# Altium PCB TopBoard.PcbDoc (part 1 of 3) (continued)
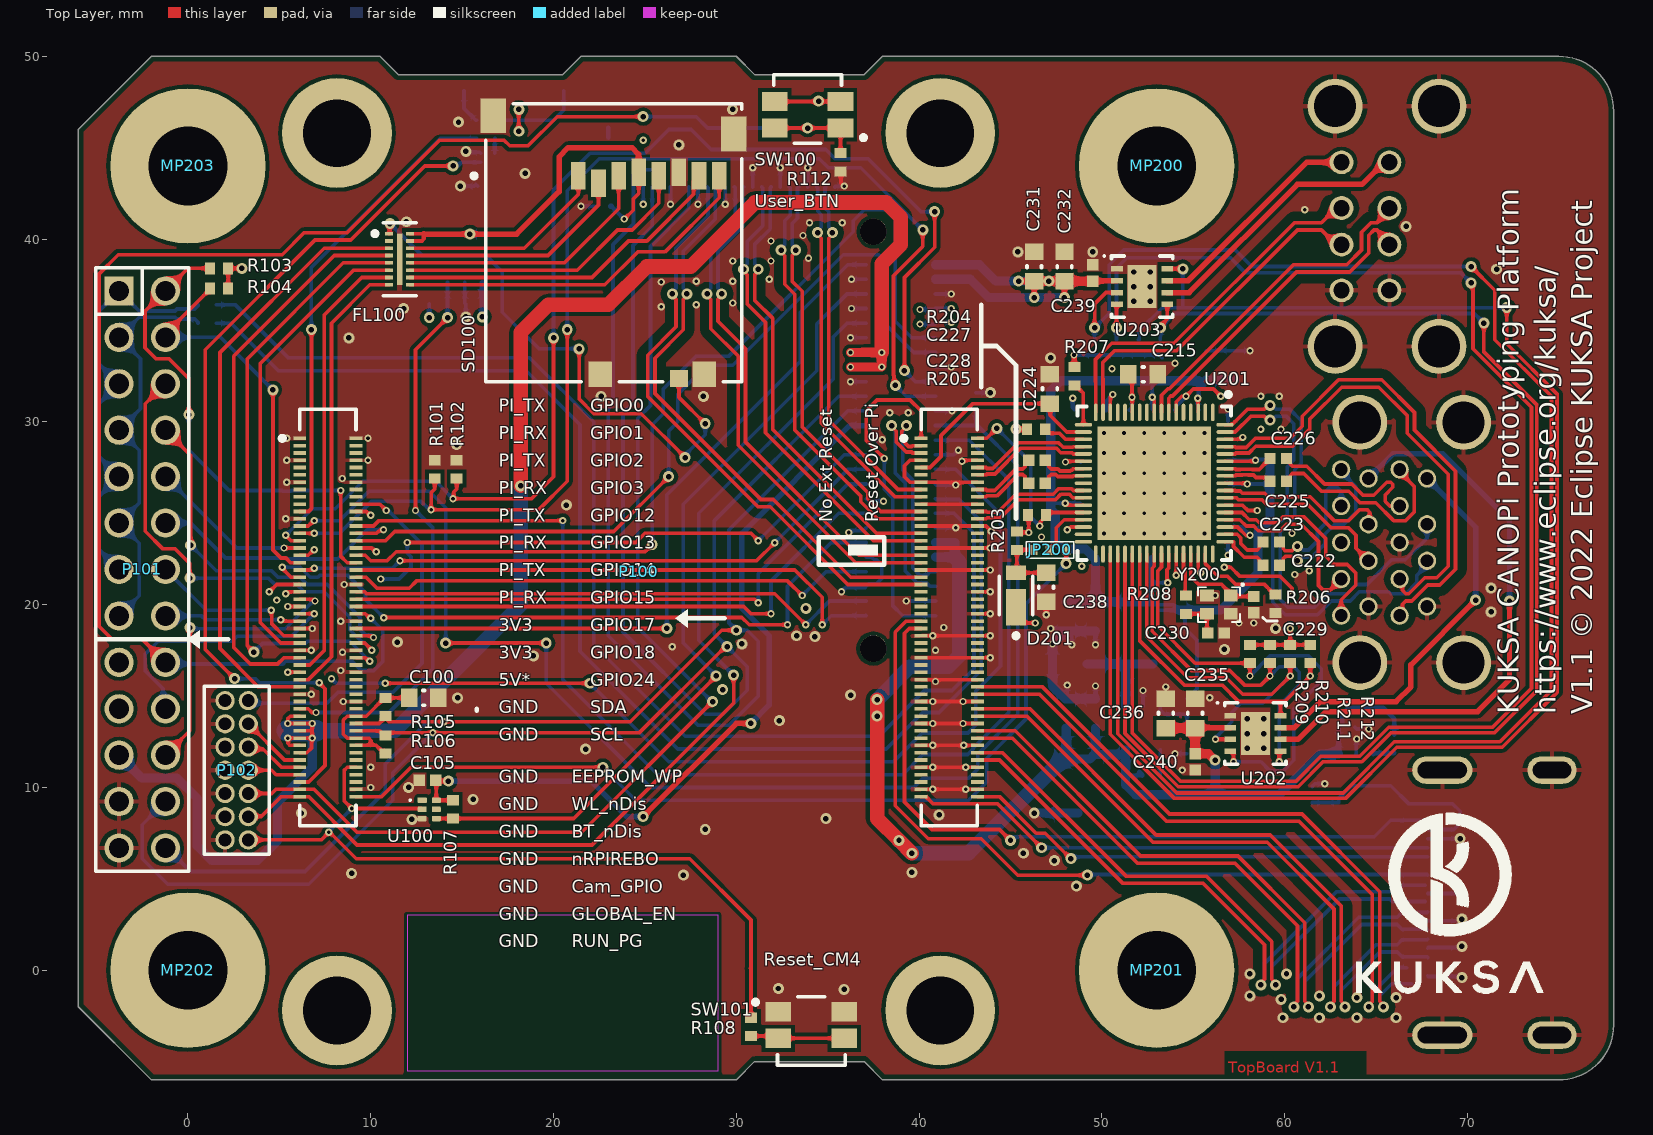
[diagram p0: Top Layer view]
## Components (designator, comment, footprint, x,y, rotation, side; value= is the part's Value field where it differs from the comment) (continued)
C223 "CAP 0402 100n -10% +10% 6.3V X7R" "CAP 0402 [1005 Metric] X050 N" 59.263,23.426 r180 top value=100nF
C224 "CAP 0603 10µF -20% +20% 6.3V X5R" "CAP 0603 [1608 Metric] X080 N" 47.15,31.8 r90 top value=10µF
C225 "CAP 0402 100n -10% +10% 6.3V X7R" "CAP 0402 [1005 Metric] X050 N" 59.65,26.75 r180 top value=100nF
C226 "CAP 0402 100n -10% +10% 6.3V X7R" "CAP 0402 [1005 Metric] X050 N" 59.65,28 r180 top value=100nF
C227 "CAP 0402 100n -10% +10% 6.3V X7R" "CAP 0402 [1005 Metric] X050 N" 46.45,27.9 r180 top value=100nF
C228 "CAP 0402 100n -10% +10% 6.3V X7R" "CAP 0402 [1005 Metric] X050 N" 46.45,26.65 r180 top value=100nF
C229 "CAP 0402 15p -2% +2% 25V C0G" "CAP 0402 [1005 Metric] X050 N" 58.3,20 r90 top value=15pF
C230 "CAP 0402 15p -2% +2% 25V C0G" "CAP 0402 [1005 Metric] X050 N" 56.25,18.45 r180 top value=15pF
C231 "CAP 0603 10µF -20% +20% 6.3V X5R" "CAP 0603 [1608 Metric] X080 N" 46.3,38.5 r90 top value=10µF
C232 "CAP 0603 1u -10% +10% 10V X7R" "CAP 0603 [1608 Metric] X080 N" 47.95,38.5 r90 top value=1µF
C233 "CAP 0402 100n -10% +10% 6.3V X7R" "CAP 0402 [1005 Metric] X050 N" 56.9,23.8 r270 bottom value=100nF
C234 "CAP 1210 100µF +/-20% 16V X5R" "CAP 1210 [3225 Metric] X250 N" 48.75,10.05 r90 bottom value=100µF
C235 "CAP 0603 10µF -20% +20% 6.3V X5R" "CAP 0603 [1608 Metric] X080 N" 55.1,14.05 r90 top value=10µF
C236 "CAP 0603 1u -10% +10% 10V X7R" "CAP 0603 [1608 Metric] X080 N" 53.5,14.05 r90 top value=1µF
C237 "CAP 0402 100n -10% +10% 6.3V X7R" "CAP 0402 [1005 Metric] X050 N" 56.4,27.9 r180 bottom value=100nF
C238 "CAP 0603 1u -10% +10% 10V X7R" "CAP 0603 [1608 Metric] X080 N" 46.95,20.95 r270 top value=1µF
C239 "CAP 0402 100n -10% +10% 6.3V X7R" "CAP 0402 [1005 Metric] X050 N" 49.5,38.15 r90 top value=100nF
C240 "CAP 0402 100n -10% +10% 6.3V X7R" "CAP 0402 [1005 Metric] X050 N" 55.1,11.4 r270 top value=100nF
D100 "WUERTH ELEKTRONIK - 155124RS73200" "WUERTH ELEKTRONIK - WL-SMSW" 18.8,48.1 r180 bottom
D101 "WUERTH ELEKTRONIK - 155124VS73200" "WUERTH ELEKTRONIK - WL-SMSW" 13.35,48.1 r180 bottom
D200 "RBE1VAM20ATR" FP-TUMD2M-MFG 48.55,16.75 r180 bottom
D201 "RBE1VAM20ATR" FP-TUMD2M-MFG 45.3,20.5 r90 top
FL100 "EMIF06-MSD02N16" FP-EMIF06-MSD02N16-MFG 11.575,38.9 r0 top
J100 "685119134923" 685119134923 73.15,3.7 r270 bottom
J101 "HIROSE - FH12-22S-0.5SH55" "HIROSE - FH12-22S-0.5SH55-Footprint-1" 30.15,42.85 r0 bottom
J200 "MOLEX - 484060003" "MOLEX - 484060003" 70.5,23.4 r180 bottom
J201 "MOLEX - 672984090" "MOLEX - 672984090" 70.6,40.7 r180 bottom
J202 "SAMTEC - ERM8-025-02.0-L-DV-TR" "SAMTEC - ERM8-025-02.0-S-DV-TR-Footprint-1" 39,29 r90 bottom
JP200 "Solder Jumper Triple 0402 with Assembly between 1 and 2" "Solder Jumper Triple 0402 with Assembly between 1 and 2" 47.6,23 r180 top
L200 "VISHAY - IFSC1515AHER3R3M01" IFSC-1515AH 52.85,18.35 r90 bottom value=3,3µH
MP200 "PCB mounting hole to build PE- connection" MountingPad 53,44 r0 top
MP201 "PCB mounting hole to build PE- connection" MountingPad 53,0 r0 top
MP202 "PCB mounting hole to build PE- connection" MountingPad 0,0 r0 top
MP203 "PCB mounting hole to build PE- connection" MountingPad 0,44 r0 top
P100 "RASPBERRY-PI - Compute Modul 4" "RASPBERRY-PI - Compute Modul 4 3mm" 4.65,-5.7 r0 top
P101 "WUERTH ELEKTRONIK - 61302621121" "WUERTH ELEKTRONIK - 61302621121" -2.501,21.925 r0 top
P102 "62201421121" 62201421121 2.665,10.94 r270 top
R100 "RES 0402 100K 1% 0W0625" "RES 0402 [1005 Metric]_N" 43.1,31.1 r90 bottom value=100k
R101 "RES 0402 100K 1% 0W0625" "RES 0402 [1005 Metric]_N" 13.5,27.4 r90 top value=100k
R102 "RES 0402 100K 1% 0W0625" "RES 0402 [1005 Metric]_N" 14.7,27.4 r90 top value=100k
R103 "RES 0402 4K7 1% 0W0625" "RES 0402 [1005 Metric]_N" 1.7,38.4 r0 top value=4.7k
R104 "RES 0402 4K7 1% 0W0625" "RES 0402 [1005 Metric]_N" 1.7,37.3 r0 top value=4.7k
R105 "RES 0402 4K7 1% 0W0625" "RES 0402 [1005 Metric]_N" 10.8,14.4 r90 top value=4.7k
R106 "RES 0402 4K7 1% 0W0625" "RES 0402 [1005 Metric]_N" 10.8,12.35 r270 top value=4.7k
R107 "RES 0402 100K 1% 0W0625" "RES 0402 [1005 Metric]_N" 14.5,8.8 r90 top value=100k
R108 "RES 0402 220R 1% 0W0625" "RES 0402 [1005 Metric]_N" 30.8,-3.1 r270 top value=220
R109 "RES 0402 10K 1% 0W0625" "RES 0402 [1005 Metric]_N" 13.7,36.45 r0 bottom value=10k
R110 "RES 0402 1K 1% 0W0625" "RES 0402 [1005 Metric]_N" 16.8,46 r90 bottom value=1k
R111 "RES 0402 1K 1% 0W0625" "RES 0402 [1005 Metric]_N" 15.8,46 r90 bottom value=1k
R112 "RES 0402 10K 1% 0W0625" "RES 0402 [1005 Metric]_N" 35.7,44.2 r270 top value=10k
R113 "RES 0402 1K 1% 0W0625" "RES 0402 [1005 Metric]_N" 1.05,36.4 r0 bottom value=1k
R114 "RES 0402 1K 1% 0W0625" "RES 0402 [1005 Metric]_N" 1.05,35.4 r0 bottom value=1k
R115 "RES 0402 1K 1% 0W0625" "RES 0402 [1005 Metric]_N" 66,12.4 r90 bottom value=1k
R200 "RES 0402 10K 1% 0W0625" "RES 0402 [1005 Metric]_N" 54.65,14.35 r270 bottom value=10k
R201 "RES 0402 100K 1% 0W0625" "RES 0402 [1005 Metric]_N" 52.7,10.65 r180 bottom value=100k
R202 "RES 0402 13K3 1% 0W0625" "RES 0402 [1005 Metric]_N" 54.65,12.35 r90 bottom value=13,3k
R203 "RES 0402 10K 1% 0W0625" "RES 0402 [1005 Metric]_N" 45.35,23.5 r90 top value=10k
R204 "RES 0402 10K 1% 0W0625" "RES 0402 [1005 Metric]_N" 46.4,29.6 r0 top value=10k
R205 "RES 0402 10K 1% 0W0625" "RES 0402 [1005 Metric]_N" 46.45,24.9 r0 top value=10k
R206 "RES 0402 6K04 1% 0W0625" "RES 0402 [1005 Metric]_N" 59.5,20.05 r90 top value=6,04k
R207 "RES 0402 10K 1% 0W0625" "RES 0402 [1005 Metric]_N" 48.5,32.5 r270 top value=10k
R208 "RES 0402 100R 1% 63mW" "RES 0402 [1005 Metric]_N" 54.6,20 r270 top value=100
R209 "RES 0402 100K 1% 0W0625" "RES 0402 [1005 Metric]_N" 58.1,17.3 r270 top value=100k
R210 "RES 0402 100K 1% 0W0625" "RES 0402 [1005 Metric]_N" 59.2,17.3 r270 top value=100k
R211 "RES 0402 100K 1% 0W0625" "RES 0402 [1005 Metric]_N" 60.3,17.3 r270 top value=100k
R212 "RES 0402 100K 1% 0W0625" "RES 0402 [1005 Metric]_N" 61.4,17.3 r270 top value=100k
R213 "RES 0402 100K 1% 0W0625" "RES 0402 [1005 Metric]_N" 50.8,34 r90 bottom value=100k
R214 "RES 0402 100K 1% 0W0625" "RES 0402 [1005 Metric]_N" 53.2,34 r90 bottom value=100k
R215 "RES 0402 100K 1% 0W0625" "RES 0402 [1005 Metric]_N" 49.6,34 r90 bottom value=100k
R216 "RES 0402 100K 1% 0W0625" "RES 0402 [1005 Metric]_N" 52,34 r90 bottom value=100k
SD100 "473521001" MOLX-473521001_V 23.3,39.8 r180 top
SW100 "EVQ-P7J01P" FP-EVQ-P7J01P-MFG 33.9,46.8 r180 top
SW101 "EVQ-P7J01P" FP-EVQ-P7J01P-MFG 34.1,-3 r0 top
U100 "SN74LVC1G07DRYR" DRY0006A_V 13.2,8.8 r0 top
U101 "ON SEMICONDUCTOR - FPF2109" "ON SEMICONDUCTOR - SOT-23, 5 Lead  CASE 527AH-01" 15.15,38.95 r90 bottom
U102 "ON SEMICONDUCTOR - FPF2109" "ON SEMICONDUCTOR - SOT-23, 5 Lead  CASE 527AH-01" 63.9,10.5 r270 bottom
U103 "SN74LVC1G07DRYR" DRY0006A_V 16.4,44.2 r0 bottom
U200 "LM2831XMF" MF05A_N 52.25,13.25 r270 bottom
U201 "VIA LABS - VL805" QFN40P800X800X90_HS-69N 52.863,26.645 r270 top
U202 "DIODES INCORPORATED - AP2182A" SON65P300X60_HS-9N 58.4,12.95 r0 top
U203 "DIODES INCORPORATED - AP2182A" SON65P300X60_HS-9N 52.2,37.4 r0 top
Y200 "ABRACON - ABM11-25.000MHZ-B7G-T" ABM11 56.4,20 r270 top

## Footprints (in the part's own frame and the unit in brackets; to place one, negate y for a bottom-side part, rotate by r counter-clockwise, add the part's x,y. Pads: shape width x height; smd on the part's side, far side on the other; paste and mask are expansions set on the pad)
62201421121 [mm] "Pin Header, pitch 1.27 mm, THT, Vertical, dual row, 14p"
  round 1.05 hole 0.7: 1(-3.81,-0.635) 2(-3.81,0.635) 3(-2.54,-0.635) 4(-2.54,0.635) 5(-1.27,-0.635) 6(-1.27,0.635) 7(0,-0.635) 8(0,0.635) 9(1.27,-0.635) 10(1.27,0.635) 11(2.54,-0.635) 12(2.54,0.635) 13(3.81,-0.635) 14(3.81,0.635)
  silkscreen extent -4.59,-1.78 4.59,1.78, body extent -4.44,-1.7 4.45,1.7, height 5.33
685119134923 [mm] "HDMI SMT Horizontal"
  rect 0.28x2.6 smd: 1(4.5,5.325) 2(4,5.325) 3(3.5,5.325) 4(3,5.325) 5(2.5,5.325) 6(2,5.325) 7(1.5,5.325) 8(1,5.325) 9(0.5,5.325) 10(0,5.325) 11(-0.5,5.325) 12(-1,5.325) 13(-1.5,5.325) 14(-2,5.325) 15(-2.5,5.325) 16(-3,5.325) 17(-3.5,5.325) 18(-4,5.325) 19(-4.5,5.325)
  oval 1.5x2.7 hole 0.9 slot 2.1 at 90 deg: Shell(-7.25,-1.475) Shell(7.25,-1.475)
  oval 1.5x3.3 hole 0.9 slot 2.7 at 90 deg: Shell(-7.25,4.525) Shell(7.25,4.525)
  silkscreen extent -7.5,-4.15 7.5,6.07, body extent -7.55,-6.07 7.45,6.08, height 6.17
ABM11 [mm]
  rect 0.65x0.75 smd paste+0: 1(-0.5,0.65) 2(-0.5,-0.65) 3(0.5,-0.65) 4(0.5,0.65)
  silkscreen extent -1.15,-1.15 0.95,1.35, body extent -0.8,-1 0.8,1, height 0.59
"CAP 0402 [1005 Metric] X050 N" [mm] "CAPC1005X050_N"
  rect 0.62x0.62 smd: 1(-0.45,0) 2(0.45,0)
  body extent -0.55,-0.3 0.55,0.3, height 0.5
"CAP 0603 [1608 Metric] X080 N" [mm] "CAPC1608X080_N"
  rect 0.9x1 smd: 1(-0.8,0) 2(0.8,0)
  silkscreen extent -0.05,-0.4 0.05,0.4, body extent -0.87,-0.48 0.88,0.47, height 0.8
"CAP 1210 [3225 Metric] X250 N" [mm] "CAPC3225X250_N"
  rect 1.15x2.7 smd: 1(-1.5,0) 2(1.5,0)
  silkscreen extent -0.55,-1.25 0.55,1.25, body extent -1.7,-1.35 1.7,1.35, height 2.5
DRY0006A_V [mm] "SON, 6-Leads, Body 1.45x1mm, Pitch 0.5mm"
  rrect33% 0.52x0.3 smd paste+0: 1(-0.385,0.5)
  rrect33% 0.49x0.3 smd paste+0: 2(-0.385,0) 3(-0.385,-0.5) 4(0.385,-0.5) 5(0.385,0) 6(0.385,0.5)
  silkscreen extent -1.09,0.46 -0.99,0.56, body extent -0.5,-0.72 0.5,0.72, height 0.6
FP-EMIF06-MSD02N16-MFG [mm]
  rect 0.45x0.2 smd paste-1000: 1(-0.575,1.4) 2(-0.575,1) 3(-0.575,0.6) 4(-0.575,0.2) 5(-0.575,-0.2) 6(-0.575,-0.6) 7(-0.575,-1) 8(-0.575,-1.4) 9(0.575,-1.4) 10(0.575,-1) 11(0.575,-0.6) 12(0.575,-0.2) 13(0.575,0.2) 14(0.575,0.6) 15(0.575,1) 16(0.575,1.4)
  rect 0.3x2.8 smd paste-1000: 17(0,0)
  silkscreen extent -1.47,-2 0.9,2, body extent -0.6,-1.75 0.6,1.75, height 0.55
FP-EVQ-P7J01P-MFG [mm]
  rect 1.4x1.05 smd paste+0: 1(-1.8,0.725) 1'(1.8,0.725) 2(-1.8,-0.725) 2'(1.8,-0.725)
  silkscreen extent -3.17,-2.2 1.85,1.55, body extent -2.35,-2.1 2.35,1.45, height 1.55
FP-TUMD2M-MFG [mm]
  rect 2x1.1 smd paste+0: 1(-0.65,0)
  rect 0.8x1.1 smd paste+0: 2(1.25,0)
  silkscreen extent -2.33,-0.92 1.05,0.92, body extent -1.25,-0.7 1.25,0.7, height 0.8
"HIROSE - FH12-22S-0.5SH55-Footprint-1" [mm]
  rect 0.3x1.3 smd: 1(-5.25,0) 2(-4.75,0) 3(-4.25,0) 4(-3.75,0) 5(-3.25,0) 6(-2.75,0) 7(-2.25,0) 8(-1.75,0) 9(-1.25,0) 10(-0.75,0) 11(-0.25,0) 12(0.25,0) 13(0.75,0) 14(1.25,0) 15(1.75,0) 16(2.25,0) 17(2.75,0) 18(3.25,0) 19(3.75,0) 20(4.25,0) 21(4.75,0) 22(5.25,0)
  rect 1.8x2.2 smd: M(-7.15,-3.25) M(7.15,-3.25)
  silkscreen extent -7.75,-6.65 7.75,0.38, body extent -7.56,-6.22 7.54,0.18, height 2.12
IFSC-1515AH [mm] "Inductor 1515, 2-Leads, Body 4,00x4,00mm, IPC Medium Density"
  rect 1.5x3.6 smd: 1(-1.65,0) 2(1.65,0)
  silkscreen extent -2.1,-2.1 2.1,2.1, body extent -2.1,-2 2.1,2, height 2
MF05A_N [mm] "SOT23, 5-Leads, Body 2.9x1.6mm, Pitch 0.95mm, Lead Span 2.8mm, IPC Medium Density"
  rect 1.1x0.65 smd: 1(-1.2,0.95) 2(-1.2,0) 3(-1.2,-0.95) 4(1.2,-0.95) 5(1.2,0.95)
  silkscreen extent -1.32,-1.5 0.25,1.95, body extent -0.83,-1.49 0.83,1.5, height 1.19
"MOLEX - 484060003" [mm] "Universal Serial Bus (USB 3.0) I/O Receptacle, Dual Port Stacked, Right-Angle, Type A, High-Temperature Blue Nylon, 0.38µm Gold (Au) Plating, Contact Height 4.13mm"
  round 1 hole 0.7: 1(2.71,3.5) 2(2.71,1) 3(2.71,-1) 4(2.71,-3.5) 5(4.21,-4) 6(4.21,-2) 7(4.21,0) 8(4.21,2) 9(4.21,4) 10(5.91,3.5) 11(5.91,1) 12(5.91,-1) 13(5.91,-3.5) 14(7.41,-4) 15(7.41,-2) 16(7.41,0) 17(7.41,2) 18(7.41,4)
  round 3 hole 2.3: 19(0.71,-6.57) 19(0.71,6.57) 19(6.39,-6.57) 19(6.39,6.57)
  silkscreen extent 2.58,-6.65 8.73,6.65, body extent -8.73,-7.83 8.73,7.84, height 16.2
"MOLEX - 672984090" [mm] "Universal Serial Bus (USB) Shielded I/O Receptacle, Right-Angle, Dual Stacked, Type A, Gold (Au) Flash, White Housing, with 4 Beveled Metal Pins, Lead-Free"
  round 1.3 hole 0.9: 1(4.87,3.5) 2(4.87,1) 3(4.87,-1) 4(4.87,-3.5) 5(7.49,3.5) 6(7.49,1) 7(7.49,-1) 8(7.49,-3.5)
  round 3 hole 2.3: 9(2.16,-6.57) 9(2.16,6.57) 9(7.84,-6.57) 9(7.84,6.57)
  silkscreen extent 4.03,-6.65 8.93,6.65, body extent -8.93,-7.66 8.93,7.66, height 15.88
MOLX-473521001_V [mm] "SMD, 8-Leads, Body 15.2x14mm, Pitch 1.1mm"
  rect 0.8x1.5 smd: 1(1.94,-3.66) 2(0.84,-3.26) 3(-0.26,-3.66) 4(-1.36,-3.86) 5(-2.46,-3.66) 6(-3.56,-3.86) 7(-4.66,-3.66) 8(-5.76,-3.66)
  rect 1x0.95 smd: 9(-3.56,7.425)
  rect 1.3x1.4 smd: 10(-4.95,7.2) 11(0.75,7.2)
  rect 1.4x1.9 smd: 12(6.6,-6.95) 13(-6.55,-5.95)
  silkscreen extent -7,-7.6 7.77,7.6, body extent -7.05,-7.6 7.05,7.6, height 1.85
MountingPad [mm] "PCB- Mounting pad to build PE- connection, hole size 4.3mm"
  round 8.5 hole 4.3: 1(0,0)
"ON SEMICONDUCTOR - SOT-23, 5 Lead  CASE 527AH-01" [mm] "SOT95P280X145-5N, SOT23, 5-Leads, Body 2.90x2.80mm, Pitch 0.95mm, IPC Medium Density"
  oval 1.05x0.6 smd: 1(-1.325,0.95)
  rrect50% 1.05x0.6 smd: 2(-1.325,0) 3(-1.325,-0.95) 4(1.325,-0.95) 5(1.325,0.95)
  silkscreen extent -1.45,-1.45 0.4,1.93, body extent -1.4,-1.45 1.4,1.45, height 1.45
QFN40P800X800X90_HS-69N [mm] "QFN, 68-Leads, Body 8,00x8,00mm, Pitch 0,40mm, Thermal Pad 6,20x6,20mm, IPC Medium Density"
  oval 0.95x0.2 smd: 1(-3.875,3.2) 2(-3.875,2.8) 3(-3.875,2.4) 4(-3.875,2) 5(-3.875,1.6) 6(-3.875,1.2) 7(-3.875,0.8) 8(-3.875,0.4) 9(-3.875,0) 10(-3.875,-0.4) 11(-3.875,-0.8) 12(-3.875,-1.2) 13(-3.875,-1.6) 14(-3.875,-2) 15(-3.875,-2.4) 16(-3.875,-2.8) 17(-3.875,-3.2) 35(3.875,-3.2) 36(3.875,-2.8) 37(3.875,-2.4) 38(3.875,-2) 39(3.875,-1.6) 40(3.875,-1.2) 41(3.875,-0.8) 42(3.875,-0.4) 43(3.875,0) 44(3.875,0.4) 45(3.875,0.8) 46(3.875,1.2) 47(3.875,1.6) 48(3.875,2) 49(3.875,2.4) 50(3.875,2.8) 51(3.875,3.2)
  oval 0.2x0.95 smd: 18(-3.2,-3.875) 19(-2.8,-3.875) 20(-2.4,-3.875) 21(-2,-3.875) 22(-1.6,-3.875) 23(-1.2,-3.875) 24(-0.8,-3.875) 25(-0.4,-3.875) 26(0,-3.875) 27(0.4,-3.875) 28(0.8,-3.875) 29(1.2,-3.875) 30(1.6,-3.875) 31(2,-3.875) 32(2.4,-3.875) 33(2.8,-3.875) 34(3.2,-3.875) 52(3.2,3.875) 53(2.8,3.875) 54(2.4,3.875) 55(2,3.875) 56(1.6,3.875) 57(1.2,3.875) 58(0.8,3.875) 59(0.4,3.875) 60(0,3.875) 61(-0.4,3.875) 62(-0.8,3.875) 63(-1.2,3.875) 64(-1.6,3.875) 65(-2,3.875) 66(-2.4,3.875) 67(-2.8,3.875) 68(-3.2,3.875)
  rect 6.2x6.2 smd: 69(0,0)
  silkscreen extent -4.97,-4.2 4.2,4.2, body extent -4.05,-4.05 4.05,4.05, height 0.9
"RASPBERRY-PI - Compute Modul 4 3mm" [mm] "aspberry Pi Compute Modul 4, CM4 40 x 55mm, 3.0mm with mating connector (clearance under CM4 1.5mm): DF40HC(3.0)-100DS-0.4, see datasheet page 14 (3.1 Mechanical), 3D-Model has to be added manually (Step-Files CM4 or CM4 Lite available on offical homepage)"
  rect 0.7x0.2 smd: 1(1.46,34.8) 2(4.54,34.8) 3(1.46,34.4) 4(4.54,34.4) 5(1.46,34) 6(4.54,34) 7(1.46,33.6) 8(4.54,33.6) 9(1.46,33.2) 10(4.54,33.2) 11(1.46,32.8) 12(4.54,32.8) 13(1.46,32.4) 14(4.54,32.4) 15(1.46,32) 16(4.54,32) 17(1.46,31.6) 18(4.54,31.6) 19(1.46,31.2) 20(4.54,31.2) 21(1.46,30.8) 22(4.54,30.8) 23(1.46,30.4) 24(4.54,30.4) 25(1.46,30) 26(4.54,30) 27(1.46,29.6) 28(4.54,29.6) 29(1.46,29.2) 30(4.54,29.2) 31(1.46,28.8) 32(4.54,28.8) 33(1.46,28.4) 34(4.54,28.4) 35(1.46,28) 36(4.54,28) 37(1.46,27.6) 38(4.54,27.6) 39(1.46,27.2) 40(4.54,27.2) 41(1.46,26.8) 42(4.54,26.8) 43(1.46,26.4) 44(4.54,26.4) 45(1.46,26) 46(4.54,26) 47(1.46,25.6) 48(4.54,25.6) 49(1.46,25.2) 50(4.54,25.2) 51(1.46,24.8) 52(4.54,24.8) 53(1.46,24.4) 54(4.54,24.4) 55(1.46,24) 56(4.54,24) 57(1.46,23.6) 58(4.54,23.6) 59(1.46,23.2) 60(4.54,23.2) 61(1.46,22.8) 62(4.54,22.8) 63(1.46,22.4) 64(4.54,22.4) 65(1.46,22) 66(4.54,22) 67(1.46,21.6) 68(4.54,21.6) 69(1.46,21.2) 70(4.54,21.2) 71(1.46,20.8) 72(4.54,20.8) 73(1.46,20.4) 74(4.54,20.4) 75(1.46,20) 76(4.54,20) 77(1.46,19.6) 78(4.54,19.6) 79(1.46,19.2) 80(4.54,19.2) 81(1.46,18.8) 82(4.54,18.8) 83(1.46,18.4) 84(4.54,18.4) 85(1.46,18) 86(4.54,18) 87(1.46,17.6) 88(4.54,17.6) 89(1.46,17.2) 90(4.54,17.2) 91(1.46,16.8) 92(4.54,16.8) 93(1.46,16.4) 94(4.54,16.4) 95(1.46,16) 96(4.54,16) 97(1.46,15.6) 98(4.54,15.6) 99(1.46,15.2) 100(4.54,15.2) 101(35.46,34.8) 102(38.54,34.8) 103(35.46,34.4) 104(38.54,34.4) 105(35.46,34) 106(38.54,34) 107(35.46,33.6) 108(38.54,33.6) 109(35.46,33.2) 110(38.54,33.2) 111(35.46,32.8) 112(38.54,32.8) 113(35.46,32.4) 114(38.54,32.4) 115(35.46,32) 116(38.54,32) 117(35.46,31.6) 118(38.54,31.6) 119(35.46,31.2) 120(38.54,31.2) 121(35.46,30.8) 122(38.54,30.8) 123(35.46,30.4) 124(38.54,30.4) 125(35.46,30) 126(38.54,30) 127(35.46,29.6) 128(38.54,29.6) 129(35.46,29.2) 130(38.54,29.2) 131(35.46,28.8) 132(38.54,28.8) 133(35.46,28.4) 134(38.54,28.4) 135(35.46,28) 136(38.54,28) 137(35.46,27.6) 138(38.54,27.6) 139(35.46,27.2) 140(38.54,27.2) 141(35.46,26.8) 142(38.54,26.8) 143(35.46,26.4) 144(38.54,26.4) 145(35.46,26) 146(38.54,26) 147(35.46,25.6) 148(38.54,25.6) 149(35.46,25.2) 150(38.54,25.2) 151(35.46,24.8) 152(38.54,24.8) 153(35.46,24.4) 154(38.54,24.4) 155(35.46,24) 156(38.54,24) 157(35.46,23.6) 158(38.54,23.6) 159(35.46,23.2) 160(38.54,23.2) 161(35.46,22.8) 162(38.54,22.8) 163(35.46,22.4) 164(38.54,22.4) 165(35.46,22) 166(38.54,22) 167(35.46,21.6) 168(38.54,21.6) 169(35.46,21.2) 170(38.54,21.2) 171(35.46,20.8) 172(38.54,20.8) 173(35.46,20.4) 174(38.54,20.4) 175(35.46,20) 176(38.54,20) 177(35.46,19.6) 178(38.54,19.6) 179(35.46,19.2) 180(38.54,19.2) 181(35.46,18.8) 182(38.54,18.8) 183(35.46,18.4) 184(38.54,18.4) 185(35.46,18) 186(38.54,18) 187(35.46,17.6) 188(38.54,17.6) 189(35.46,17.2) 190(38.54,17.2) 191(35.46,16.8) 192(38.54,16.8) 193(35.46,16.4) 194(38.54,16.4) 195(35.46,16) 196(38.54,16) 197(35.46,15.6) 198(38.54,15.6) 199(35.46,15.2) 200(38.54,15.2)
  round 6 / inner round 0 / far side round 0 hole 3.7: M1(3.5,51.5) M2(36.5,51.5) M3(3.5,3.5) M4(36.5,3.5)
  silkscreen extent 0.39,13.6 38.54,36.4, body extent 0.95,0.95 39.05,54.05, height 3
"RES 0402 [1005 Metric]_N" [mm] "RESC1005X04_N"
  rect 0.55x0.65 smd: 1(-0.5,0) 2(0.5,0)
  body extent -0.52,-0.27 0.53,0.28, height 0.4
"SAMTEC - ERM8-025-02.0-S-DV-TR-Footprint-1" [mm]
  rect 0.5x1.1 smd: 1(-9.6,1.9) 2(-9.6,-1.9) 3(-8.8,1.9) 4(-8.8,-1.9) 5(-8,1.9) 6(-8,-1.9) 7(-7.2,1.9) 8(-7.2,-1.9) 9(-6.4,1.9) 10(-6.4,-1.9) 11(-5.6,1.9) 12(-5.6,-1.9) 13(-4.8,1.9) 14(-4.8,-1.9) 15(-4,1.9) 16(-4,-1.9) 17(-3.2,1.9) 18(-3.2,-1.9) 19(-2.4,1.9) 20(-2.4,-1.9) 21(-1.6,1.9) 22(-1.6,-1.9) 23(-0.8,1.9) 24(-0.8,-1.9) 25(0,1.9) 26(0,-1.9) 27(0.8,1.9) 28(0.8,-1.9) 29(1.6,1.9) 30(1.6,-1.9) 31(2.4,1.9) 32(2.4,-1.9) 33(3.2,1.9) 34(3.2,-1.9) 35(4,1.9) 36(4,-1.9) 37(4.8,1.9) 38(4.8,-1.9) 39(5.6,1.9) 40(5.6,-1.9) 41(6.4,1.9) 42(6.4,-1.9) 43(7.2,1.9) 44(7.2,-1.9) 45(8,1.9) 46(8,-1.9) 47(8.8,1.9) 48(8.8,-1.9) 49(9.6,1.9) 50(9.6,-1.9)
  round 1.45 hole 1.45: M(-11.4,-1.5) M(11.4,-1.5)
  silkscreen extent -13.21,-3.05 13.21,4.19, body extent -13,-2.8 13,2.8, height 5.78
"Solder Jumper Triple 0402 with Assembly between 1 and 2" [mm] "Solder Jumper Triple 0402 with Assembly between 1 and 2"
  rect 0.45x0.55 smd: 1(0.45,0) 2(-0.45,0) 3(1.35,0)
  silkscreen extent -0.85,-0.45 1.75,0.45, body extent -0.5,-0.25 0.5,0.25, height 0.4
SON65P300X60_HS-9N [mm] "SON, 8-Leads, Body 3,00x3,00mm, Pitch 0,65mm, Thermal Pad 2,35x1,34mm, IPC Medium Density"
  rect 0.65x0.3 smd: 1(-1.375,0.975) 2(-1.375,0.325) 3(-1.375,-0.325) 4(-1.375,-0.975) 5(1.375,-0.975) 6(1.375,-0.325) 7(1.375,0.325) 8(1.375,0.975)
  rect 1.6x2.35 smd: 9(0,0)
  silkscreen extent -2.12,-1.68 1.67,1.72, body extent -1.53,-1.53 1.52,1.52, height 0.6
"WUERTH ELEKTRONIK - 61302621121" [mm] "Pin Header, 26-Pins, 2-reihig, 2.54mm Pitch, THT, gerade"
  rect 1.6x1.6 hole 1.1: 1(-1.27,15.24)
  round 1.6 hole 1.1: 2(1.27,15.24) 3(-1.27,12.7) 4(1.27,12.7) 5(-1.27,10.16) 6(1.27,10.16) 7(-1.27,7.62) 8(1.27,7.62) 9(-1.27,5.08) 10(1.27,5.08) 11(-1.27,2.54) 12(1.27,2.54) 13(-1.27,0) 14(1.27,0) 15(-1.27,-2.54) 16(1.27,-2.54) 17(-1.27,-5.08) 18(1.27,-5.08) 19(-1.27,-7.62) 20(1.27,-7.62) 21(-1.27,-10.16) 22(1.27,-10.16) 23(-1.27,-12.7) 24(1.27,-12.7) 25(-1.27,-15.24) 26(1.27,-15.24)
  silkscreen extent -2.54,-16.51 2.54,16.51, body extent -2.54,-16.51 2.54,16.51, height 8.55
"WUERTH ELEKTRONIK - WL-SMSW" [mm] "LED WL-SMSW SMT Mono-color Side view Waterclear, 1204"
  rect 1.5x1 smd: A(1.75,0) C(-1.75,0)
  rect 0.8x0.6 smd: M1(0,-0.2)
  silkscreen extent -2.04,-0.6 0.95,1.48, body extent -1.6,0 1.6,1.48, height 1

## Part data
C100 C232 C236 C238: library part CMP-02997-5, "SMD/SMT 0603 10V -10% +10% X7R - Multilayer Ceramic Capacitors MLCC", Capacitance=1µF, Capacitance Tolerance neg=-10%, Capacitance Tolerance pos=10%, Case=0603, Dielectric Type=X7R, Manufacturer=MURATA, Manufacturer Part Number=GRM188R71A105KA61#, Operating Temperature max=125°C, Operating Temperature min=-55°C, Voltage Rating=10V, Assembly=yes, ComponentLink1Description=Datasheet, ComponentLink1URL=http://psearch.en.murata.com/capacitor/lineup/grm/, IPC Footprint Naming=CAPC1608X080, Mounting Type=SMT
C101 C102 C103 C104 C105 C106 C201 C202 C203 C204 C205 C206 C207 C208 C216 C217 C218 C219 C220 C221 C222 C223 C225 C226 C227 C228 C233 C237 C239 C240: library part CMP-04212-4, "SMD/SMT 0402 6.3V -10% +10% X7R - Multilayer Ceramic Capacitors MLCC", Capacitance=100nF, Capacitance Tolerance neg=-10%, Capacitance Tolerance pos=10%, Case=0402, Dielectric Type=X7R, Manufacturer=MURATA, Manufacturer Part Number=GRM155R70J104KA01#, Operating Temperature max=125°C, Operating Temperature min=-55°C, Voltage Rating=6.3V, Assembly=yes, ComponentLink1Description=Datasheet, ComponentLink1URL=http://psearch.en.murata.com/capacitor/lineup/grm/, IPC Footprint Naming=CAPC1005X050, Mounting Type=SMT
C200 C209 C210 C211 C212 C213 C214 C215 C231 C235: library part CMP-06061-3, "SMT 10µF ±20% 6,3 V Keramikkondensatoren X5R", Capacitance=10µF, Capacitance Tolerance neg=-20%, Capacitance Tolerance pos=20%, Case=0603, Dielectric Type=X5R, Manufacturer=MURATA, Manufacturer Part Number=GRM188R60J106ME84, Operating Temperature max=85°C, Operating Temperature min=-55°C, Voltage Rating=6,3V, Assembly=yes, ComponentLink1Description=Datasheet, ComponentLink1URL=https://search.murata.co.jp/Ceramy/image/img/A01X/G101/ENG/GRM188R60J106ME84-01.pdf, IPC Footprint Naming=CAPC1608X080, Mounting Type=SMT
C224: library part CMP-06061-3, "SMT 10µF ±20% 6,3 V Keramikkondensatoren X5R", Capacitance=10µF, Capacitance Tolerance neg=-20%, Capacitance Tolerance pos=20%, Case="0603 [1608]", Dielectric Type=X5R, Manufacturer=MURATA, Manufacturer Part Number=GRM188R60J106ME84, Operating Temperature max=85°C, Operating Temperature min=-55°C, Voltage Rating=6,3V, Assembly=yes, ComponentLink1Description=Datasheet, ComponentLink1URL=https://search.murata.co.jp/Ceramy/image/img/A01X/G101/ENG/GRM188R60J106ME84-01.pdf, IPC Footprint Naming=CAPC1608X080, Mounting Type=SMT
C229 C230: library part CMP-03766-4, "SMD/SMT 0402 25V -2% +2% C0G - Multilayer Ceramic Capacitors MLCC", Capacitance=15pF, Capacitance Tolerance neg=-2%, Capacitance Tolerance pos=2%, Case=0402, Dielectric Type="C0G (NP0)", Manufacturer=MURATA, Manufacturer Part Number=GRM1555C1E150GA01#, Operating Temperature max=125°C, Operating Temperature min=-55°C, Voltage Rating=25V, Assembly=yes, ComponentLink1Description=Datasheet, ComponentLink1URL=http://psearch.en.murata.com/capacitor/lineup/grm/, IPC Footprint Naming=CAPC1005X050, Mounting Type=SMT
C234: library part CMP-10010-2, "100µF ±20% 16V Ceramic Capacitor X5R 1210 (3225 Metric)", Capacitance=100µF, Capacitance Tolerance neg=-20%, Capacitance Tolerance pos=20%, Case="1210 [3225]", Dielectric Type=X5R, Manufacturer="TAIYO YUDEN", Manufacturer Part Number=EMK325ABJ107MM-T, Operating Temperature max=85°C, Operating Temperature min=-55°C, Voltage Rating=16V, Assembly=yes, ComponentLink1Description="Manufacturer Link", ComponentLink1URL=https://www.yuden.co.jp/productdata/catalog/mlcc06_e.pdf, Mounting Type=SMT
D100: library part CMP-11201-1, "LED, RED, Right Angle SMD 3.2*1.0mm WL-SMSW SMT Mono-color Side view Waterclear", Case=1305, Colour LED1=red, Forward Current LED1=25mA, Forward Voltage LED1=2V, Manufacturer="WUERTH ELEKTRONIK", Manufacturer Part Number=155124RS73200, Operating Temperature max=85°C, Operating Temperature min=-40°C, Reverse Voltage LED1=5V, Assembly=yes, ComponentLink1Description=Datahseet, ComponentLink1URL=https://katalog.we-online.de/led/datasheet/155124BS73200.pdf, Luminous Intensity LED1=150mcd, Mounting Type=SMT, View Angle=120°, Wavelength LED1=470nm
D101: library part CMP-11200-1, "LED, GREEN, Right Angle SMD 3.2*1.0mm WL-SMSW SMT Mono-color Side view Waterclear", Case=1305, Colour LED1=green, Forward Current LED1=25mA, Forward Voltage LED1=3.4V, Manufacturer="WUERTH ELEKTRONIK", Manufacturer Part Number=155124VS73200, Operating Temperature max=85°C, Operating Temperature min=-40°C, Reverse Voltage LED1=5V, Assembly=yes, ComponentLink1Description=Datahseet, ComponentLink1URL=https://katalog.we-online.de/led/datasheet/155124BS73200.pdf, Luminous Intensity LED1=150mcd, Mounting Type=SMT, View Angle=120°, Wavelength LED1=470nm
D200 D201: library part CMP-08971-000009-1, "DIODE SCHOTTKY 20V 1A TUMD2M", Forward Current=1A, Manufacturer=Rohm, Max Junction Temp=+125°C, Max Repetitive Reverse Voltage=30V, Max Surge Forward Current=3A, Package=TUMD2M, Peak Reverse Current=200uA, Reverse Voltage=20V, Automotive=No, Category=Diode, ComponentLink2Description=Datasheet, ComponentLink2URL=https://www.rohm.com/datasheet/RBE1VAM20A/rbe1vam20atr-e, Device Class L1="Discrete Semiconductors", Device Class L2=Diodes, Device Class L3="Schottky Diodes", Digikey Description="DIODE SCHOTTKY 20V 1A TUMD2M", Height=0.8mm, Lead Free=Yes, Manufacturer Part Number=RBE1VAM20ATR, Octopart=https://octopart.com/rbe1vam20atr-rohm-50418626, RoHS=TRUE
FL100: library part CMP-12221-000004-1, "FILTER RC(PI) 45 OHM/20PF SMD", Breakdown Voltage=8V, Capacitance=20pF, Case/Package=QFN, Max Operating Temperature=85°C, Min Operating Temperature=-30°C, Package Quantity=1, Contact Plating=Gold, Depth=1.25mm, ESD Protection=Yes, Height=0.022inch, Lead Free="Lead Free", Length=3.55mm, Max Breakdown Voltage=8V, Mount="Surface Mount", Number of Channels=6, Number of Pins=16, Packaging="Tape and Reel", Radiation Hardening=No, REACH SVHC="No SVHC", Termination=Flat, Width=0.047inch
J100: library part CMP-1502-00169-1, "HDMI Type A Receptacle WR-HDMI, Horizontal, SMT", Contact Resistance=30mOhm, Manufacturer="Wurth Elektronik", Operating Temperature=-20to85degC, Rated Current=0.5A, Working Voltage=40VDC, Connector Type=HDMITypeA, Datasheet URL=https://katalog.we-online.de/em/datasheet/685119134923.pdf, Gender=Receptacle, Manufacturer URL=http://www.we-online.de, Mounting Technology=SMT, Orientation=Horizontal, Package Reference=685119134923, Packaging=TapeandReel, Part Number=685119134923, Publisher=WurthElektronik
J101: library part CMP-11225-1, "FFC/FPC Steckverbinder, 22 Positionen, unten 0,020\" (0,50mm) Oberflächenmontage, rechtwinklig", Current Rating=500mA, Manufacturer="Hirose Electric Co., Ltd.", Manufacturer Part Number=FH12-22S-0.5SH55, Operating Temperature max=85°C, Operating Temperature min=-40°C, Voltage Rating=50V, Assembly=yes, ComponentLink1Description="Manufacturer Link", ComponentLink1URL=https://www.hirose.com/product/document?clcode=&productname=&series=FH12&documenttype=Catalog&lang=en&documentid=D31648_en, Gender=Female, Mounting Type=SMT, Number of Pins=22, Number of Rows=1, Pitch Spacing=500µm
J200: library part CMP-11209-3, "Universal Serial Bus (USB 3.0) I/O Receptacle, Dual Port Stacked, Right-Angle, TypeA, High-Temperature Blue Nylon, 0.38¿m Gold (Au) Plating, Contact Height 4.13mm", Current Rating=1,8A, Manufacturer=MOLEX, Manufacturer Part Number=484060003, Operating Temperature max=85°C, Operating Temperature min=-20°C, Voltage Rating=30V, Assembly=yes, ComponentLink1Description="Manufacturer Link", ComponentLink1URL=https://www.molex.com/molex/products/part-detail/io_connectors/0484060003, Contact Plating="0.38¿m Gold (Au) Plating", Gender=Female, Mounting Type=THT, Number of Pins=22, Number of Rows=0, Pitch Spacing=2mm
J201: library part CMP-11205-2, "Universal Serial Bus (USB) Shielded I/O Receptacle, Right-Angle, Dual Stacked, Type A, Gold (Au) Flash, White Housing, with 4 Beveled Metal Pins, Lead-Free", Current Rating=1,5A, Manufacturer=MOLEX, Manufacturer Part Number=672984090, Operating Temperature max=50°C, Operating Temperature min=0°C, Voltage Rating=30V, Assembly=yes, ComponentLink1Description="Manufacturer Link", ComponentLink1URL=https://www.molex.com/molex/products/part-detail/io_connectors/0672984090, Contact Plating=Gold, Gender=Female, Mounting Type=THT, Number of Pins=13, Number of Rows=0, Pitch Spacing=2mm